# KiCad board capybully.kicad_pcb
title: capybully; date: 2023-09-10; rev: v1.0
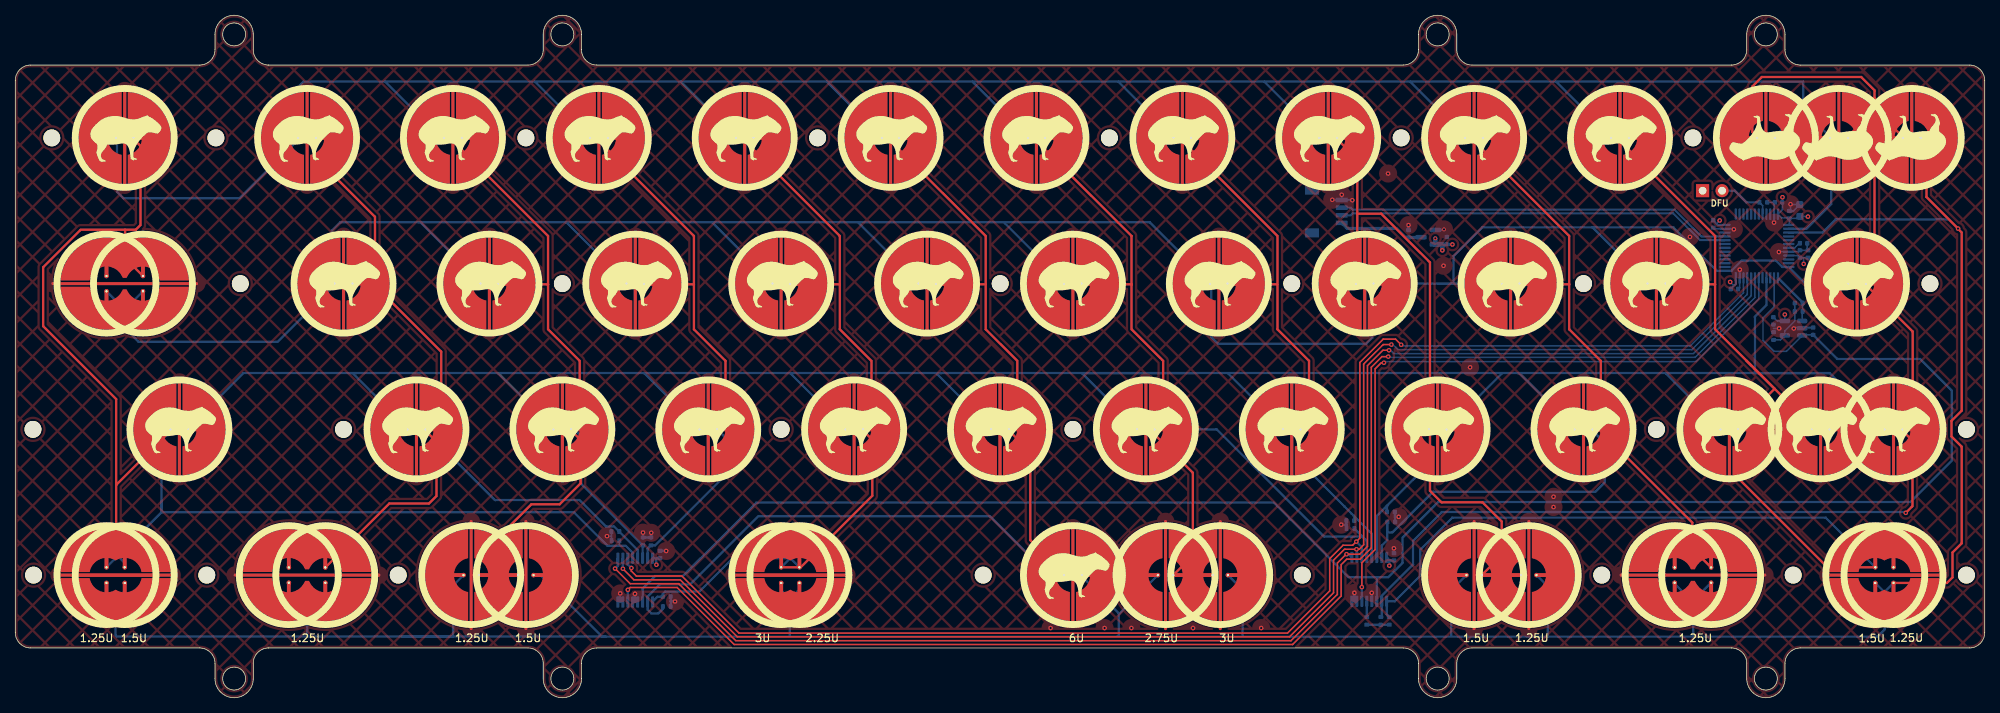
[diagram p0: board, top side]
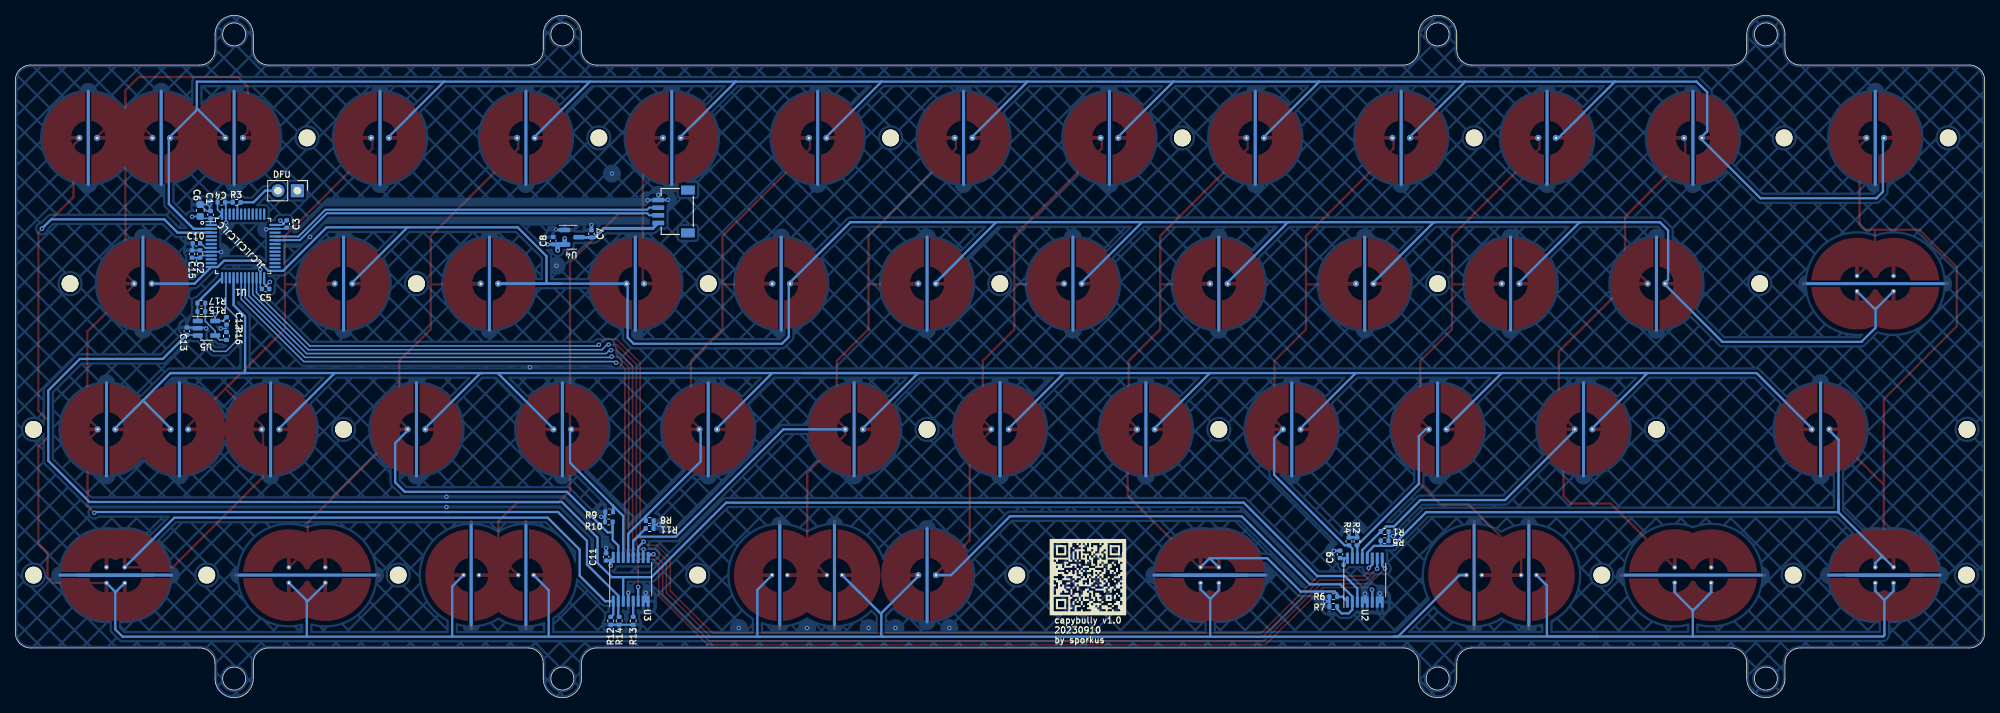
[diagram p1: board, bottom side, seen from below]

Outline 257.18 x 89.2 mm; copper layers: Top, In1.Cu, In2.Cu, Bottom. Coordinates in mm from the lower left corner of the outline.
Outline path: circle c28.57,86.7 r1.5 ; circle c28.57,2.5 r1.5 ; circle c71.44,86.7 r1.5 ; circle c71.44,2.5 r1.5 ; circle c185.74,86.7 r1.5 ; circle c185.74,2.5 r1.5 ; circle c228.6,86.7 r1.5 ; circle c228.6,2.5 r1.5 ; 0,80.7 arc(0.59,82.11) 2,82.7 24.07,82.7 arc(25.49,83.29) 26.07,84.7 26.07,86.7 arc(28.57,89.2) 31.07,86.7 31.07,84.7 arc(31.66,83.29) 33.08,82.7 66.94,82.7 arc(68.35,83.29) 68.94,84.7 68.94,86.7 arc(71.44,89.2) 73.94,86.7 73.94,84.7 arc(74.52,83.29) 75.94,82.7 181.24,82.7 arc(182.65,83.29) 183.24,84.7 183.24,86.7 arc(185.74,89.2) 188.24,86.7 188.24,84.7 arc(188.82,83.29) 190.24,82.7 224.1,82.7 arc(225.51,83.29) 226.1,84.7 226.1,86.7 arc(228.6,89.2) 231.1,86.7 231.1,84.7 arc(231.69,83.29) 233.1,82.7 255.17,82.7 arc(256.59,82.11) 257.18,80.7 257.18,8.5 arc(256.59,7.09) 255.17,6.5 233.1,6.5 arc(231.69,5.91) 231.1,4.5 231.1,2.5 arc(228.6,0) 226.1,2.5 226.1,4.5 arc(225.51,5.91) 224.1,6.5 190.24,6.5 arc(188.82,5.91) 188.24,4.5 188.24,2.5 arc(185.74,0) 183.24,2.5 183.24,4.5 arc(182.65,5.91) 181.24,6.5 75.94,6.5 arc(74.52,5.91) 73.94,4.5 73.94,2.5 arc(71.44,0) 68.94,2.5 68.94,4.5 arc(68.35,5.91) 66.94,6.5 33.08,6.5 arc(31.66,5.91) 31.07,4.5 31.07,2.5 arc(28.57,0) 26.07,2.5 26.08,4.5 arc(25.49,5.91) 24.08,6.5 2,6.5 arc(0.59,7.09) 0,8.5 0,80.7
Stack: Top 0.035mm / dielectric 0.1mm FR4 er 4.5 / In1.Cu 0.035mm / dielectric 1.24mm FR4 er 4.5 / In2.Cu 0.035mm / dielectric 0.1mm FR4 er 4.5 / Bottom 0.035mm

## Placement (name value [footprint] x y rotation side)
C1  100nF  [C_0402_1005Metric]  231.68 63.14 90 bottom
C2  100nF  [C_0402_1005Metric]  233.05 58.01 90 bottom
C3  100nF  [C_0402_1005Metric]  221.74 61.92 270 bottom
C4  100nF  [C_0402_1005Metric]  230.27 64.75 180 bottom
C5  100n  [C_0402_1005Metric]  224.49 53.43 0 bottom
C6  10uF  [C_0603_1608Metric]  233.04 63.69 90 bottom
C7  1uF  [C_0402_1005Metric]  181.94 60.64 270 bottom
C8  1uF  [C_0402_1005Metric]  186.94 59.74 270 bottom
C9  100n  [C_0402_1005Metric]  84.19 18.73 270 bottom
C10  100nF  [C_0402_1005Metric]  233.52 59.4 0 bottom
C11  100n  [C_0402_1005Metric]  180.03 18.41 270 bottom
C12  100n  [C_0402_1005Metric]  229.58 49.26 90 bottom
C13  220pF NP0  [C_0402_1005Metric]  234.77 47.91 90 bottom
C15  1u  [C_0402_1005Metric]  234.1 58 90 bottom
G***  -  [LOGO]  117.1 15.76 180 bottom
H1  MountingHole  [MountingHole_2.2mm_M2_DIN965]  128.61 54.13 90 top
H2  MountingHole  [MountingHole_2.2mm_M2_DIN965]  166.69 54.13 90 top
H3  MountingHole  [MountingHole_2.2mm_M2_DIN965]  42.86 35.08 0 top
H4  MountingHole  [MountingHole_2.2mm_M2_DIN965]  66.67 73.18 0 top
H5  MountingHole  [MountingHole_2.2mm_M2_DIN965]  104.78 73.18 0 top
H6  MountingHole  [MountingHole_2.2mm_M2_DIN965]  142.88 73.18 0 top
H7  MountingHole  [MountingHole_2.2mm_M2_DIN965]  180.97 73.18 0 top
H8  MountingHole  [MountingHole_2.2mm_M2_DIN965]  232.17 16.03 0 top
H9  MountingHole  [MountingHole_2.2mm_M2_DIN965]  100.01 35.08 0 top
H10  MountingHole  [MountingHole_2.2mm_M2_DIN965]  138.11 35.08 0 top
H11  MountingHole  [MountingHole_2.2mm_M2_DIN965]  254.79 35.08 0 top
H12  MountingHole  [MountingHole_2.2mm_M2_DIN965]  29.38 54.13 0 top
H13  MountingHole  [MountingHole_2.2mm_M2_DIN965]  2.31 35.08 90 top
H14  MountingHole  [MountingHole_2.2mm_M2_DIN965]  25 16.03 0 top
H15  MountingHole  [MountingHole_2.2mm_M2_DIN965]  219.07 73.18 0 top
H16  MountingHole  [MountingHole_2.2mm_M2_DIN965]  26.19 73.18 0 top
H17  MountingHole  [MountingHole_2.2mm_M2_DIN965]  71.44 54.13 90 top
H18  MountingHole  [MountingHole_2.2mm_M2_DIN965]  214.31 35.08 90 top
H19  MountingHole  [MountingHole_2.2mm_M2_DIN965]  126.39 16.03 0 top
H20  MountingHole  [MountingHole_2.2mm_M2_DIN965]  168.07 16.03 0 top
H21  MountingHole  [MountingHole_2.2mm_M2_DIN965]  204.79 54.13 0 top
H22  MountingHole  [MountingHole_2.2mm_M2_DIN965]  250.03 54.13 0 top
H23  MountingHole  [MountingHole_2.2mm_M2_DIN965]  50.01 16.03 0 top
H24  MountingHole  [MountingHole_2.2mm_M2_DIN965]  207.17 16.03 0 top
H25  MountingHole  [MountingHole_2.2mm_M2_DIN965]  2.38 16.03 0 top
H26  MountingHole  [MountingHole_2.2mm_M2_DIN965]  4.76 73.18 0 top
H27  MountingHole  [MountingHole_2.2mm_M2_DIN965]  254.79 16.03 0 top
J1  SM04B-SRSS-TB(LF)(SN)  [JST-SR-4]  168.44 63.56 90 bottom
R1  100k  [R_0402_1005Metric]  78.36 21.72 180 bottom
R2  100k  [R_0402_1005Metric]  81.97 20.43 90 bottom
R3  10k  [R_0402_1005Metric]  228.27 64.75 0 bottom
R4  100k  [R_0402_1005Metric]  83.02 20.43 90 bottom
R5  100k  [R_0402_1005Metric]  78.37 20.52 180 bottom
R6  100k  [R_0402_1005Metric]  85.07 13.2 0 bottom
R7  100k  [R_0402_1005Metric]  85.07 11.92 0 bottom
R8  100k  [R_0402_1005Metric]  174.33 23.14 180 bottom
R9  100k  [R_0402_1005Metric]  179.63 24.29 0 bottom
R10  100k  [R_0402_1005Metric]  179.68 22.97 0 bottom
R11  100k  [R_0402_1005Metric]  174.35 22.11 180 bottom
R12  100k  [R_0402_1005Metric]  179.42 10.05 270 bottom
R13  100k  [R_0402_1005Metric]  176.49 10.05 270 bottom
R14  100k  [R_0402_1005Metric]  178.32 10.05 270 bottom
R15  100k  [R_0402_1005Metric]  232.89 50.48 180 bottom
R16  1k  [R_0402_1005Metric]  229.6 47.28 90 bottom
R17  DNP  [R_0402_1005Metric]  232.89 51.58 180 bottom
SW1  EC_SW  [capy_pad_1U]  14.29 73.18 0 top
SW2  EC_SW  [capy_pad_1U]  38.1 73.18 0 top
SW3  EC_SW  [capy_pad_1U]  57.15 73.18 0 top
SW4  EC_SW  [capy_pad_1U]  76.2 73.18 0 top
SW5  EC_SW  [capy_pad_1U]  95.25 73.18 0 top
SW6  EC_SW  [capy_pad_1U]  114.3 73.18 0 top
SW7  EC_SW  [capy_pad_1U]  133.35 73.18 0 top
SW8  EC_SW  [capy_pad_1U]  152.4 73.18 0 top
SW9  EC_SW  [capy_pad_1U]  171.45 73.18 0 top
SW10  EC_SW  [capy_pad_1U]  190.5 73.18 0 top
SW11  EC_SW  [capy_pad_1U]  209.55 73.18 0 top
SW12  EC_SW  [capy_pad_1U]  228.6 73.18 180 top
SW13  EC_SW  [capy_pad_1U]  238.12 73.18 180 top
SW14  EC_SW  [capy_pad_1U]  247.65 73.18 180 top
SW15  EC_SW  [ecs_pad_combo_0.25u_offset]  16.67 54.13 0 top
SW16  EC_SW  [capy_pad_1U]  42.86 54.13 0 top
SW17  EC_SW  [capy_pad_1U]  61.91 54.13 0 top
SW18  EC_SW  [capy_pad_1U]  80.96 54.13 0 top
SW19  EC_SW  [capy_pad_1U]  100.01 54.13 0 top
SW20  EC_SW  [capy_pad_1U]  119.06 54.13 0 top
SW21  EC_SW  [capy_pad_1U]  138.11 54.13 0 top
SW22  EC_SW  [capy_pad_1U]  157.16 54.13 0 top
SW23  EC_SW  [capy_pad_1U]  176.21 54.13 0 top
SW24  EC_SW  [capy_pad_1U]  195.26 54.13 0 top
SW25  EC_SW  [capy_pad_1U]  214.31 54.13 0 top
SW26  EC_SW  [capy_pad_1U]  240.51 54.13 0 top
SW27  EC_SW  [capy_pad_1U]  21.43 35.08 0 top
SW28  EC_SW  [capy_pad_1U]  52.39 35.08 0 top
SW29  EC_SW  [capy_pad_1U]  71.44 35.08 0 top
SW30  EC_SW  [capy_pad_1U]  90.49 35.08 0 top
SW31  EC_SW  [capy_pad_1U]  109.54 35.08 0 top
SW32  EC_SW  [capy_pad_1U]  128.59 35.08 0 top
SW33  EC_SW  [capy_pad_1U]  147.64 35.08 0 top
SW34  EC_SW  [capy_pad_1U]  166.69 35.08 0 top
SW35  EC_SW  [capy_pad_1U]  185.74 35.08 0 top
SW36  EC_SW  [capy_pad_1U]  204.79 35.08 0 top
SW37  EC_SW  [capy_pad_1U]  223.84 35.08 0 top
SW38  EC_SW  [capy_pad_1U]  245.27 35.08 0 top
SW39  EC_SW  [ecs_pad_combo_0.125u_offset]  14.29 16.03 180 top
SW40  EC_SW  [ecs_pad_combo_0.25u_offset]  40.48 16.03 0 top
SW41  EC_SW  [ecs_pad_combo_0.375u_offset]  66.67 16.03 0 top
SW42  EC_SW  [ecs_pad_combo_0.125u_offset]  102.39 16.03 180 top
SW43  EC_SW  [capy_pad_1U]  138.11 16.03 0 top
SW44  EC_SW  [ecs_pad_combo_0.375u_offset]  150.21 16.03 180 top
SW45  EC_SW  [ecs_pad_combo_0.375u_offset]  190.5 16.03 180 top
SW46  EC_SW  [ecs_pad_combo_0.25u_offset]  216.69 16.03 180 top
SW47  EC_SW  [ecs_pad_combo_0.125u_offset]  242.89 16.03 0 top
SW48  EC_SW  [capy_pad_1U]  235.74 35.08 0 top
SW100  DFU  [PinHeader_1x02_P2.54mm_Vertical]  220.34 66.28 270 bottom
U1  STM32F072CBT6  [LQFP-48_7x7mm_P0.5mm]  227.42 59.05 180 bottom
U2  74HC4051  [TSSOP-16_4.4x5mm_P0.65mm]  80.95 15.37 90 bottom
U3  74HC4051  [TSSOP-16_4.4x5mm_P0.65mm]  176.81 15.47 90 bottom
U4  XC6206PxxxMR-Regulator_Linear  [SOT-23]  184.5 60.19 180 bottom
U5  OPA354  [SOT-23-5]  232.21 48.29 180 bottom

## Library data of the parts
C1-C4 C9 C11 C12 = -: Description: Unpolarized capacitor; LCSC: C307331
C5 C6 C15 = -: Description: Unpolarized capacitor
C7 C8 = -: Description: Unpolarized capacitor, small symbol; LCSC: C52923
C10 = -: Description: Unpolarized capacitor, small symbol; LCSC: C307331
C13 = -: Description: Unpolarized capacitor; LCSC: C1530
H1-H27 = -: Description: Mounting Hole without connection
J1 = -: Description: Generic connector, single row, 01x04, script generated (kicad-library-utils/schlib/autogen/connector/); JlcPosOffset: 0, -2.6
R1 R2 R4-R15 = -: Description: Resistor; LCSC: C25741
R3 = -: Description: Resistor, small symbol
R16 = -: Description: Resistor; LCSC: C11702
R17 = -: Description: Resistor
SW100 = -: Description: Push button switch, generic, two pins
U1 = -: Description: STMicroelectronics Arm Cortex-M0 MCU, 128KB flash, 16KB RAM, 48 MHz, 2.0-3.6V, 37 GPIO, LQFP48; JlcRotOffset: 90
U2 U3 = -: Description: 8-channel analog multiplexer/demultiplexer, DIP-16/SOIC-16/TSSOP-16; JlcRotOffset: 270; LCSC: C5645
U4 = -: Description: SMD LDO regulator family; LCSC: C5446
U5 = -: Description: Single Single-Supply, Rail-to-Rail Operational Amplifier, MicroAmplifier Series, SOT-23-5

## Footprints (pads in the part's own frame, mm; a bottom-side part is the same pattern mirrored in y, then rotated)
C_0402_1005Metric
  rrect 0.56x0.62 smd: 1(-0.48,0) 2(0.48,0)
C_0603_1608Metric
  rrect 0.9x0.95 smd: 1(-0.775,0) 2(0.775,0)
capy_pad_1U
  round 0.8 hole 0.3: 1(-1.15,0) 2(1.15,0)
  custom 5.595x11.973 smd: 1(-1,0) 2(1,0)
  rrect 0.4x12.5 smd far side: 3(0,0)
  rrect 0.4x12.75 smd: 3(0,0)
ecs_pad_combo_0.25u_offset
  round 0.6 hole 0.3: 1(-4.763,1) 1(0,1.002) 2(-4.763,-1) 2(0,-1.002)
  custom 16.734x5.595 smd: 1(0,1.002) 2(0,-1.002)
  custom 19.163x0.4 smd: 3(0,0)
  custom 18.163x0.4 smd far side: 3(0,0)
ecs_pad_combo_0.125u_offset
  custom 14.405x5.65 smd: 1(0,1.025) 2(2.381,-1.025)
  round 0.6 hole 0.3: 1(0,1.025) 1(2.381,1.025) 2(0,-1.025) 2(2.381,-1.025)
  rrect 12.5x0.4 smd far side: 3(0,0) 3(2.381,0)
  rrect 12.75x0.4 smd: 3(0,0) 3(2.381,0)
ecs_pad_combo_0.375u_offset
  round 0.6 hole 0.3: 1(-8.145,0) 1(1.002,0) 2(-6.141,0) 2(-1.002,0)
  custom 5.595x11.973 smd: 1(-8.144,0) 1(1.001,0)
  custom 6.334x11.972 smd: 2(-6.153,0)
  custom 0.4x14.4 smd: 3(-7.143,0) 3(0,0)
  custom 0.4x13.4 smd far side: 3(-7.143,0) 3(0,0)
JST-SR-4
  rect 1.2x1.8 smd: (-2.8,0.9) (2.8,0.9)
  rect 0.6x1.55 smd: 1(-1.5,4.775) 2(-0.5,4.775) 3(0.5,4.775) 4(1.5,4.775)
LQFP-48_7x7mm_P0.5mm
  rrect 1.475x0.3 smd: 1(-4.162,2.75) 2(-4.162,2.25) 3(-4.162,1.75) 4(-4.162,1.25) 5(-4.162,0.75) 6(-4.162,0.25) 7(-4.162,-0.25) 8(-4.162,-0.75) 9(-4.162,-1.25) 10(-4.162,-1.75) 11(-4.162,-2.25) 12(-4.162,-2.75) 25(4.162,-2.75) 26(4.162,-2.25) 27(4.162,-1.75) 28(4.162,-1.25) 29(4.162,-0.75) 30(4.162,-0.25) 31(4.162,0.25) 32(4.162,0.75) 33(4.162,1.25) 34(4.162,1.75) 35(4.162,2.25) 36(4.162,2.75)
  rrect 0.3x1.475 smd: 13(-2.75,-4.162) 14(-2.25,-4.162) 15(-1.75,-4.162) 16(-1.25,-4.162) 17(-0.75,-4.162) 18(-0.25,-4.162) 19(0.25,-4.162) 20(0.75,-4.162) 21(1.25,-4.162) 22(1.75,-4.162) 23(2.25,-4.162) 24(2.75,-4.162) 37(2.75,4.162) 38(2.25,4.162) 39(1.75,4.162) 40(1.25,4.162) 41(0.75,4.162) 42(0.25,4.162) 43(-0.25,4.162) 44(-0.75,4.162) 45(-1.25,4.162) 46(-1.75,4.162) 47(-2.25,4.162) 48(-2.75,4.162)
MountingHole_2.2mm_M2_DIN965
  round 2.2 hole 2.2 unplated: (0,0)
PinHeader_1x02_P2.54mm_Vertical
  rect 1.7x1.7 hole 1: 1(0,0)
  oval 1.7x1.7 hole 1: 2(0,-2.54)
R_0402_1005Metric
  rrect 0.54x0.64 smd: 1(-0.51,0) 2(0.51,0)
SOT-23
  rrect 1.475x0.6 smd: 1(-0.938,0.95) 2(-0.938,-0.95) 3(0.938,0)
SOT-23-5
  rrect 1.325x0.6 smd: 1(-1.137,0.95) 2(-1.137,0) 3(-1.137,-0.95) 4(1.137,-0.95) 5(1.137,0.95)
TSSOP-16_4.4x5mm_P0.65mm
  rrect 1.475x0.4 smd: 1(-2.862,2.275) 2(-2.862,1.625) 3(-2.862,0.975) 4(-2.862,0.325) 5(-2.862,-0.325) 6(-2.862,-0.975) 7(-2.862,-1.625) 8(-2.862,-2.275) 9(2.862,-2.275) 10(2.862,-1.625) 11(2.862,-0.975) 12(2.862,-0.325) 13(2.862,0.325) 14(2.862,0.975) 15(2.862,1.625) 16(2.862,2.275)

## Nets
+3V3: C1.1 C2.1 C3.1 C4.1 C5.1 C6.1 C8.2 C9.2 C11.2 C12.2 C15.1 SW100.1 U1.1 U1.9 U1.24 U1.36 U1.48 U2.16 U3.16 U4.2 U5.5
+5V: C7.2 J1.1 U4.3
GND: C1.2 C2.2 C3.2 C4.2 C5.2 C6.2 C7.1 C8.1 C9.1 C10.2 C11.1 C12.1 C13.2 C15.2 J1.4 R1.2 R2.2 R3.2 R4.2 R5.2 R6.2 R7.2 R8.2 R9.2 R10.2 R11.2 R12.2 R13.2 R14.2 R16.2 SW1.3 SW2.3 SW3.3 SW4.3 SW5.3 SW6.3 SW7.3 SW8.3 SW9.3 SW10.3 SW11.3 SW12.3 SW13.3 SW14.3 SW15.3 SW16.3 SW17.3 SW18.3 SW19.3 SW20.3 SW21.3 SW22.3 SW23.3 SW24.3 SW25.3 SW26.3 SW27.3 SW28.3 SW29.3 SW30.3 SW31.3 SW32.3 SW33.3 SW34.3 SW35.3 SW36.3 SW37.3 SW38.3 SW39.3 SW40.3 SW41.3 SW42.3 SW43.3 SW44.3 SW45.3 SW46.3 SW47.3 SW48.3 U1.8 U1.23 U1.35 U1.47 U2.4 U2.5 U2.7 U2.8 U3.4 U3.7 U3.8 U4.1 U5.2
/A0: U1.10
/A1: U1.11
/A5: U1.15
/A7: U1.17
/A8: U1.29
/A9: U1.30
/A10: U1.31
/A13: U1.34
/A14: U1.37
/A15: U1.38
/B3: U1.39
/B4: U1.40
/B5: U1.41
/B6: U1.42
/B7: U1.43
/B8: U1.45
/B9: U1.46
/B12: U1.25
/B13: U1.26
/B14: U1.27
/B15: U1.28
/C15: U1.4
/F0: U1.5
/F1: U1.6
ADC: R15.1 R17.1 U1.13 U5.1
APLEX0_EN: U1.19 U2.6
APLEX1_EN: U1.18 U3.6
APLEX_OUT: C13.1 U1.14 U2.3 U3.3 U5.3
APLEX_SEL0: U1.22 U2.11 U3.11
APLEX_SEL1: U1.21 U2.10 U3.10
APLEX_SEL2: U1.20 U2.9 U3.9
BOOT0: R3.1 SW100.2 U1.44
COL0: R5.1 SW1.2 SW15.1 SW27.1 SW39.2 U2.12
COL1: R1.1 SW2.2 SW16.2 SW28.2 SW40.1 U2.13
COL2: R2.1 SW3.2 SW17.2 SW29.2 SW41.2 U2.14
COL3: R4.1 SW4.2 SW18.2 SW30.2 U2.15
COL4: R6.1 SW5.2 SW19.2 SW31.2 SW42.2 U2.1
COL5: R7.1 SW6.2 SW20.2 SW32.2 SW43.1 U2.2
COL6: R11.1 SW7.2 SW21.2 SW33.2 SW44.2 U3.12
COL7: R8.1 SW8.2 SW22.2 SW34.2 U3.13
COL8: R9.1 SW9.2 SW23.1 SW35.1 SW45.2 U3.14
COL9: R10.1 SW10.2 SW24.2 SW36.2 SW46.2 U3.15
COL10: R12.1 SW11.2 SW25.2 SW37.2 SW47.1 SW48.1 U3.1
COL11: R14.1 SW12.2 SW13.1 SW14.2 SW26.2 SW38.2 U3.2
COL12: R13.1 U3.5
D_N: J1.2 U1.32
D_P: J1.3 U1.33
NRST: C10.1 U1.7
ROW0: SW1.1 SW2.1 SW3.1 SW4.1 SW5.1 SW6.1 SW7.1 SW8.1 SW9.1 SW10.1 SW11.1 SW12.1 SW13.2 U1.2
ROW1: SW15.2 SW16.1 SW17.1 SW18.1 SW19.1 SW20.1 SW21.1 SW22.1 SW23.2 SW24.1 SW25.1 SW26.1 U1.12
ROW2: SW27.2 SW28.1 SW29.1 SW30.1 SW31.1 SW32.1 SW33.1 SW34.1 SW35.2 SW36.1 SW37.1 SW38.1 SW48.2 U1.16
ROW3: SW14.1 SW39.1 SW40.2 SW41.1 SW42.1 SW43.2 SW44.1 SW45.1 SW46.1 SW47.2 U1.3
Net-(U5--): R15.2 R16.1 R17.2 U5.4

## Via types
v1: diameter 0.6, hole 0.3, Top to Bottom, 59 vias
v2: diameter 0.5, hole 0.3, Top to Bottom, 2 vias

## Routing (per net, layer and track width the routed paths; a pad name or vN(x,y) marks a point on that pad's centre or on a via; arc(x,y) is an arc through that point)
+3V3: length 27
  Bottom w0.2: v1(231.08,50.09) 231.07,50.08 231.07,49.24 230.08,49.24 C12.2 ; 222.16,61.98 222.34,61.8 U1.36 ; 222.16,61.98 v1(222.57,62.38) ; 222.16,61.98 C3.1 ; 224.67,54.56 224.67,54.09 ; 224.67,54.09 C5.1 ; 224.67,54.09 U1.24 ; 224.67,54.09 224.53,53.95 224.33,53.95 v1(223.94,54.34) ; 231.63,62.7 230.68,62.7 U1.48 230.77,63.8 v1(230.77,65.42) ; v1(234.09,62.88) 234.06,62.91 C6.1 ; 233.52,57.53 234.09,57.53 ; 233.52,57.53 C2.1 232.78,57.8 U1.9 ; 233.52,57.53 233.52,56.73 v1(233.54,56.7) ; 232.78,62.66 C1.1 231.68,61.89 U1.1
  Bottom w0.3: C11.2 179.49,17.93 ; 179.49,17.93 U3.16 ; 179.49,17.93 179.43,17.87 v1(179.43,17.26) ; U2.16 83.69,18.24 ; 83.69,18.24 83.69,17.4 v1(83.72,17.38) ; 83.69,18.24 84.18,18.24
  Bottom w0.4: v1(187.67,59.24) U4.2
  Bottom w0.6: v1(186.35,58.48) 186.37,58.5 186.37,59.24 U4.2 v2(185.44,60.04)
+5V: length 11.1
  Bottom w0.4: U4.3 183.53,60.16 C7.2 181.52,60.16 180.34,61.34 173.93,61.34 J1.1
GND: length 47.7
  Bottom w0.2: 77.85,21.12 v1(77.27,21.12) ; 77.85,21.12 R1.2 ; 77.85,21.12 77.85,20.53 R5.2 ; v1(224.42,61.23) 224.35,61.3 U1.35 221.88,61.3 ; v1(232.25,48.26) 232.37,48.39 C13.2 233.44,48.39 ; v1(229.67,62.1) 229.67,62.11 U1.47 229.67,64.52 ; C1.2 232.19,63.62 C6.2 231.86,64.46 v1(231.82,64.5) 231.82,63.76 ; C2.2 232.86,58.3 U1.8 230.34,58.3 v1(230.29,58.25) ; C10.2 234,58.58 ; C5.2 225.17,53.63 U1.23 225.17,55.94 v1(225.19,55.96) ; J1.4 174.57,65.06 v1(174.59,65.03) ; J1.4 173.22,65.74 v1(173.22,65.74) ; J1.4 172,65.06 v1(171.98,65.08) ; 229.6,48.26 230.33,48.26 v1(230.34,48.27) ; C4.2 229.79,64.75 R3.2 ; C15.2 233.06,58.48
  Bottom w0.3: 80.92,12.51 v1(80.92,13.58) ; 80.92,12.51 U2.5 ; 80.92,12.51 U2.4 ; U4.1 186.49,61.14 v2(186.57,61.22) ; R11.2 173.84,22.61 ; 173.84,22.61 173.84,23.12 R8.2 ; 173.84,22.61 v1(173.15,22.61) ; 78.97,12.51 U2.7 ; 78.97,12.51 78.97,13.6 v1(78.99,13.63) ; 78.97,12.51 U2.8 ; U3.7 174.87,12.61 ; 174.87,12.61 v1(174.87,13.7) ; 174.87,12.61 U3.8 ; v1(180.66,23.64) 180.14,23.64 R9.2 180.19,24.24 R10.2 ; v1(84.99,19.18) 84.96,19.21 C9.1 ; v1(83.04,21.55) 83.02,21.53 R4.2 R2.2 v1(81.97,21.58) ; R6.2 85.58,12.6 ; 85.58,12.6 R7.2 ; 85.58,12.6 86.12,12.6 ; R12.2 R13.2 ; v1(180.03,19.53) C11.1 ; v1(177.14,13.7) U3.4
  Bottom w0.4: v1(181.94,61.77) C7.1
  vias: v1(86.15,12.57) v1(135.19,9.1) v1(142.24,9.1) v1(145.74,9.1) v1(153.79,9.1) v1(162.69,9.1) v1(179.27,68.52) v1(186.51,56.46) v1(189.97,43.19) v1(200.87,26.27) v1(200.87,24.92) v1(218.68,60.23)
ADC: length 6.8
  Bottom w0.2: 233.35,49.24 233.35,50.43 ; R15.1 R17.1
  Bottom w0.3: 233.4,51.66 U1.13
APLEX0_EN: length 189.7
  Top w0.2: v1(179.29,44.58) 178.47,44.58 177.07,43.19 177.07,19.57 175.61,18.11 173.85,18.11 173.14,17.4 173.14,13.3 166.8,6.95 93.87,6.95 86.42,14.4 80.29,14.4 v1(79.99,14.1)
  Bottom w0.2: U1.19 227.17,52.31 219.35,44.49 179.39,44.49 v1(179.29,44.58)
  Bottom w0.3: U2.6 79.97,14.09 v1(79.99,14.1)
APLEX1_EN: length 87.8
  Top w0.2: v1(175.84,14.46) 175.84,17.62 177.57,19.36 177.57,42.99 178.37,43.79 v1(178.72,43.79)
  Bottom w0.2: v1(178.72,43.79) 178.87,43.94 219.5,43.94 227.67,52.11 U1.18
  Bottom w0.3: U3.6 v1(175.84,14.46)
APLEX_OUT: length 239.8
  Bottom w0.2: C13.1 233.43,47.43 ; U1.14 229.67,51.11 228.23,49.66 228.23,46.71 229.67,45.27 231.27,45.27 U5.3
  Bottom w0.3: 177.79,15.75 179.29,15.75 181.16,17.62 181.16,20.93 185.81,25.58 247.48,25.58 252.87,30.97 252.87,40.15 248.74,44.28 237.92,44.28 C13.1 ; 177.79,15.75 177.79,12.62 ; 177.79,15.75 174.09,15.75 164.34,25.5 96.77,25.5 87.17,15.9 83.54,15.9 81.92,14.29 U2.3
APLEX_SEL0: length 189.9
  Top w0.2: v1(180.97,46.13) 180.24,46.87 178.63,46.87 175.57,43.81 175.57,20.86 v1(175.12,20.4) 174.64,19.93 173.39,19.93 171.64,18.18 171.64,13.95 166.14,8.45 94.49,8.45 87.04,15.9 81.09,15.9 80.44,16.55 v1(80.44,16.95)
  Bottom w0.2: U1.22 225.67,52.94 218.72,45.99 181.12,45.99 v1(180.97,46.13)
  Bottom w0.3: v1(175.12,20.4) 175.84,19.68 U3.11 ; U2.11 79.97,17.42 v1(80.44,16.95)
APLEX_SEL1: length 190.6
  Top w0.2: v1(79.34,16.85) 80.79,15.4 86.84,15.4 94.29,7.95 166.38,7.95 172.14,13.72 172.14,17.98 173.57,19.41 175.14,19.41 v1(175.14,19.4) 175.5,19.4 176.07,19.98 176.07,43.61 178.63,46.16 v1(179.69,46.16)
  Bottom w0.2: U1.21 226.17,52.73 218.93,45.49 180.55,45.49 179.88,46.16 v1(179.69,46.16)
  Bottom w0.3: v1(175.14,19.4) 175.19,19.36 U3.10 ; v1(79.34,16.85) 79.32,16.87 U2.10
APLEX_SEL2: length 192.3
  Top w0.2: v1(179.39,45.42) 178.59,45.42 176.57,43.4 176.57,19.78 175.55,18.75 173.85,18.75 v1(173.84,18.76) 173.79,18.76 172.64,17.61 172.64,13.5 166.59,7.45 94.08,7.45 86.63,14.9 80.29,14.9 v1(78.32,16.88)
  Bottom w0.2: v1(179.39,45.42) 179.59,45.42 180.02,44.99 219.14,44.99 226.67,52.52 U1.20
  Bottom w0.3: U3.9 174.11,18.76 v1(173.84,18.76) ; U2.9 78.67,17.24 v1(78.32,16.88)
BOOT0: length 7.2
  Bottom w0.2: R3.1 228.17,64.33 U1.44
  Bottom w0.3: SW100.2 224.54,66.28 226.06,64.75 R3.1
COL0: length 174.2
  Top w0.3: 13.17,27.81 SW27.1 ; 13.17,27.81 13.17,39.03 3.64,48.56 3.64,56.27 8.49,61.12 ; 13.17,27.81 13.17,20 ; SW1.2 16.34,72.13 16.34,61.78 15.74,61.18 14.34,61.18 ; 14.34,61.18 14.34,57.46 SW15.1 ; 14.34,61.18 8.54,61.18
  Bottom w0.2: 78.97,19.92 78.88,20.01 R5.1
  Bottom w0.3: SW27.1 19.09,33.73 19.09,25.68 ; 19.09,25.68 19.09,24.23 13.37,18.51 ; 19.09,25.68 19.09,24.24 72.94,24.24 77.34,19.85 79.74,19.85 80.62,18.96 U2.12 ; 13.37,18.51 SW39.2 ; 13.37,18.51 14.29,17.59 SW39.2
COL1: length 110.7
  Top w0.3: 46.72,54.13 55.62,45.23 55.62,37.31 SW28.2 54.99,33.47 54.99,26.35 54.02,25.38 48.84,25.38 40.48,17.03 ; SW16.2 46.97,57.23 46.97,62.85 39.1,70.72 SW2.2
  Bottom w0.2: 78.92,21.87 78.92,21.77 R1.1
  Bottom w0.3: U2.13 81.27,19.3 78.18,22.39 77.13,22.39 73.69,25.83 62.63,25.83 SW28.2
COL2: length 100
  Top w0.3: SW41.2 60.53,18.42 67.39,25.28 71.08,25.28 73.82,28.02 73.82,33.69 SW29.2 73.69,36.33 73.69,44.03 69.57,48.15 69.57,54.03 ; 69.57,54.03 63.01,54.03 ; 69.57,54.03 69.57,60.35 58.15,71.77 SW3.2
  Bottom w0.3: U2.14 81.92,19.92 73.89,27.95 73.89,34.18 73,35.08 SW29.2
COL3: length 73.7
  Top w0.3: SW30.2 92.74,36.33 92.74,44.03 88.62,48.15 88.62,54.03 ; SW4.2 77.2,71.77 88.62,60.35 88.62,54.03 ; 88.62,54.03 82.06,54.03
  Bottom w0.3: U2.15 82.57,19.48 R4.1 83.57,19.92 92.79,29.14 92.79,33.93 91.65,35.08 SW30.2
COL4: length 100.6
  Top w0.3: SW5.2 96.25,71.77 107.67,60.35 107.67,54.03 ; 107.67,54.03 107.67,48.15 111.79,44.03 111.79,36.33 SW31.2 111.92,33.69 111.92,26.4 102.56,17.05 SW42.2 ; 107.67,54.03 101.11,54.03
  Bottom w0.3: 101.19,18.23 93.68,18.23 89.33,13.88 84.87,13.88 84.56,13.57 R6.1 83.85,13.2 83.22,12.57 U2.1 ; 101.19,18.23 SW42.2 ; 101.19,18.23 101.21,18.23 SW42.2
COL5: length 140.3
  Top w0.3: 126.72,54.03 120.16,54.03 ; 126.72,54.03 126.72,48.15 130.84,44.03 130.84,36.33 SW32.2 132.54,32.12 132.54,20.59 SW43.1 ; 126.72,54.03 126.72,60.35 115.3,71.77 SW6.2
  Bottom w0.3: SW43.1 134.97,16.03 127.28,23.72 97.02,23.72 88.12,14.82 84.16,14.82 82.57,13.23 U2.2 82.57,11.51 83.07,11.02 83.97,11.02 84.56,11.61 R7.1
COL6: length 112.1
  Top w0.3: 145.77,54.03 145.77,48.15 149.89,44.03 149.89,36.33 SW33.2 SW33.2 148.79,34.39 153.77,29.4 153.77,18.59 SW44.2 ; 145.77,54.03 145.77,60.35 134.35,71.77 SW7.2 ; 145.77,54.03 139.21,54.03
  Bottom w0.3: U3.12 176.49,20.48 ; 176.49,20.48 R11.1 ; 176.49,20.48 175.92,21.05 170.91,21.05 156.89,35.08 SW33.2
COL7: length 72.9
  Top w0.3: 164.82,54.03 158.26,54.03 ; 164.82,54.03 164.82,60.35 153.4,71.77 SW8.2 ; 164.82,54.03 164.82,48.15 168.94,44.03 168.94,36.33 SW34.2
  Bottom w0.3: 174.77,23.79 177.14,21.42 U3.13 ; 174.77,23.79 174.84,23.72 R8.1 ; 174.77,23.79 167.69,30.87 SW34.2
COL8: length 101.8
  Top w0.3: 175.24,63.27 178.37,63.27 184.74,56.9 SW35.1 184.74,27.05 186.25,25.54 191.6,25.54 194.1,23.04 194.1,18.63 SW45.2 ; 175.24,63.27 175.24,70.38 SW9.2 ; 175.24,63.27 175.24,54.16 SW23.1
  Bottom w0.3: SW35.1 184.74,30.7 179.18,25.15 ; 179.18,25.15 177.79,23.75 U3.14 ; 179.18,25.15 179.12,25.08 R9.1
COL9: length 120.8
  Top w0.3: 202.92,54.03 202.92,48.15 207.04,44.03 207.04,36.33 SW36.2 ; 202.92,54.03 196.36,54.03 ; 202.92,54.03 202.92,60.35 191.5,71.77 SW10.2 ; 206.8,35.08 218.99,22.89 218.99,19.49 221.45,17.03
  Bottom w0.3: SW36.2 207.57,33.29 207.57,28.15 206.33,26.92 185.14,26.92 179.82,21.6 179.17,21.6 R10.1 179.17,20.61 178.44,19.88 U3.15
COL10: length 171.6
  Top w0.3: SW37.2 224.84,35.48 229.74,40.38 229.74,40.39 226.09,44.03 ; 224.86,35.08 224.84,35.05 224.84,28.84 236.63,17.05 SW47.1 ; 221.97,54.03 221.97,48.15 226.09,44.03 ; 221.97,54.03 221.97,60.35 210.55,71.77 SW11.2 ; 221.97,54.03 215.41,54.03 ; SW48.1 234.74,35.38 226.09,44.03
  Bottom w0.3: R12.1 179.09,10.89 U3.1 180.14,12.61 183.48,15.94 183.48,19.35 187.66,23.53 236.41,23.53 SW47.1
COL11: length 173.7
  Top w0.3: 242.8,78.35 242.8,76.99 242.87,76.92 ; 242.8,78.35 242.8,55.42 SW26.2 247.77,47.86 247.77,36.58 SW38.2 247.74,33.6 247.74,25.04 v1(246.87,24.17) ; 242.8,78.35 242.8,79.39 241.05,81.14 228.07,81.14 226.84,79.9 226.84,73.94 SW12.2 ; 242.87,76.92 SW13.1 ; 242.87,76.92 246.61,73.18
  Bottom w0.3: v1(246.87,24.17) 246.76,24.27 201.14,24.27 201.14,24.27 200.6,24.27 200.59,24.27 186.3,24.27 182.53,20.5 182.53,17.42 178.44,13.33 U3.2 178.44,10.67
COL12: length 2.1
  Bottom w0.3: R13.1 U3.5
D_N: length 51.6
  Bottom w0.264: J1.2 174.38,63.06 174.65,63.33 216.49,63.33 220,59.82 222.14,59.82 222.15,59.8 U1.32
D_P: length 51.6
  Bottom w0.264: J1.3 174.38,64.06 174.65,63.79 216.69,63.79 220.2,60.28 222.14,60.28 222.15,60.3 U1.33
NRST: length 1.6
  Bottom w0.2: U1.7 232.35,58.8 232.95,59.4
ROW0: length 362.1
  Bottom w0.3: SW3.1 55.65,73.18 48.29,80.54 ; SW1.1 13.29,66.14 14.14,65.29 29.27,65.29 37.1,73.11 ; SW9.1 163.09,80.54 144.1,80.54 ; 48.29,80.54 67.84,80.54 SW4.1 ; 48.29,80.54 37.62,80.54 36.24,79.15 36.24,74.03 SW2.1 ; 67.9,80.54 86.89,80.54 SW5.1 ; U1.2 233.89,61.3 237.12,64.54 SW13.2 233.47,76.83 233.47,77.05 ; 233.47,77.05 233.47,80.54 201.25,80.54 ; 233.47,77.05 SW12.1 ; 125.05,80.54 144.04,80.54 SW8.1 ; SW7.1 124.99,80.54 106,80.54 ; SW6.1 105.94,80.54 86.95,80.54 ; SW10.1 182.14,80.54 163.15,80.54 ; 182.2,80.54 201.19,80.54 SW11.1
ROW1: length 356.3
  Bottom w0.3: SW26.1 233.76,54.13 U1.12 230.75,56.3 229.92,57.13 225.45,57.13 224.12,55.8 222.2,55.8 216.51,61.49 205.95,61.49 ; 187.82,54.13 187.82,57.73 191.57,61.49 205.95,61.49 ; 187.82,54.13 SW24.1 SW23.2 177.21,47.06 176.42,46.27 157.07,46.27 156.16,47.17 SW22.1 148.13,62.16 ; 187.82,54.13 185.83,54.13 ; 71.74,62.16 90.98,62.16 ; 90.98,62.16 SW19.1 ; 90.98,62.16 110.03,62.16 ; 205.95,61.49 SW25.1 ; SW15.2 14.46,50.92 14.25,50.92 ; SW15.2 14.12,50.92 14.25,50.92 ; 14.25,50.92 14.25,48.36 16.09,46.52 34.25,46.52 SW16.1 41.34,54.64 41.34,61.08 42.41,62.16 52.69,62.16 ; 52.69,62.16 71.93,62.16 SW18.1 ; 52.69,62.16 52.88,62.16 SW17.1 ; 148.13,62.16 110.03,62.16 ; 148.13,62.16 148.14,62.15 ; 110.03,62.16 SW20.1 ; 129.08,62.16 SW21.1
ROW2: length 376.6
  Bottom w0.2: 240.51,38.84 240.51,38.85
  Bottom w0.3: SW48.2 240.51,38.84 ; 158.33,42.44 SW34.1 ; 158.33,42.44 139.28,42.44 ; 158.33,42.44 194.17,42.44 ; 196.22,42.44 194.17,42.44 ; 196.22,42.44 196.43,42.44 SW36.1 ; 196.22,42.44 215.48,42.44 ; 194.17,42.44 186.81,35.08 ; SW29.1 63.08,42.44 ; 63.08,42.44 82.13,42.44 ; 63.08,42.44 44.54,42.44 ; U1.16 228.67,51.32 227.17,49.82 227.17,42.44 236.92,42.44 ; 44.54,42.44 44.03,42.44 SW28.1 ; 44.54,42.44 29.79,42.44 SW27.2 ; 215.48,42.44 SW37.1 ; 215.48,42.44 236.92,42.44 ; 236.92,42.44 244.27,35.09 ; SW32.1 120.23,42.44 120.89,42.44 ; 120.89,42.44 139.28,42.44 ; 120.89,42.44 101.18,42.44 ; 139.28,42.44 SW33.1 ; 139.28,42.44 154.29,42.44 ; SW31.1 101.18,42.44 ; 101.18,42.44 82.13,42.44 ; 82.13,42.44 SW30.1
ROW3: length 448.3
  Top w0.3: SW14.1 249.57,72.26 249.57,65.45 v1(253.7,61.32) 253.7,61.28 254.17,60.82 254.17,37.52 252.84,36.19 252.84,34.15 254.17,32.82 254.17,20.17 252.98,18.98 252.98,15.73 252.24,15 SW47.2
  Bottom w0.3: 50.51,8 57.17,8 57.17,14.66 58.53,16.03 ; 50.51,8 38.12,8 ; 50.51,8 77.07,8 77.09,7.98 ; SW45.1 187.52,14.05 187.52,8.08 ; 216.69,14.91 218.92,12.68 219.11,12.68 ; 13.09,12.75 11.91,13.94 SW39.1 ; 13.09,12.75 13.09,8.15 13.24,8 38.12,8 ; 13.09,12.75 14.29,13.95 SW39.1 ; SW41.1 68.57,16.03 76.62,7.98 77.09,7.98 ; 143.84,7.98 219.14,7.98 ; 143.84,7.98 101.19,7.98 ; 143.84,7.98 144.04,7.98 144.09,8.03 144.09,11.04 ; 219.14,7.98 219.11,8.02 219.11,12.68 ; 219.14,7.98 243.17,7.98 244.12,8.93 244.12,13.77 ; 40.48,15.03 40.48,13.77 38.09,11.38 ; 101.14,12.9 102.39,14.16 SW42.1 ; 101.14,12.9 101.14,8.03 101.19,7.98 ; 101.14,12.9 100.01,14.04 SW42.1 ; 200.14,7.98 200.12,8 200.12,14.55 SW45.1 ; 219.11,12.68 221.45,15.02 ; 77.09,7.98 101.19,7.98 ; 244.12,13.77 244.12,13.85 SW47.2 ; 244.12,13.77 SW47.2 ; 38.09,11.38 38.12,11.35 38.12,8 ; 38.09,11.38 35.72,13.75 35.72,15.02 ; 144.09,11.04 144.23,11.04 SW44.1 ; 144.09,11.04 SW43.2 ; SW44.1 160.27,14.11 160.27,8.08 ; U1.3 235.99,60.8 237.71,62.53 252.49,62.53 v1(253.7,61.32)
Net-(U5--): length 6.5
  Bottom w0.2: R17.2 R15.2 232.38,49.24 231.07,47.93 U5.4 230.5,46.77 R16.1

## Copper pours and planes (outline as drawn; the poured copper is in the pictures)
+3V3 on In1.Cu: -4.16,90.98 260.84,90.98 260.84,-4.02 -4.16,-4.02
GND on Top, Bottom: -5.83,93.52 263.17,93.52 263.17,-7.48 260.17,-10.48 -5.83,-10.48
GND on Bottom, In2.Cu: 172.44,65.36 172.44,61.76 172.5,61.7 216.39,61.7 219.3,58.8 223.26,58.8 223.26,61.3 223.16,61.4 220.42,61.4 216.46,65.36
GND on In2.Cu: -4.52,91.03 260.48,91.03 260.48,-3.97 -4.52,-3.97

## Text on the board
B.Silkscreen: JLCJLCJLCJLC | capybully v1.0 / 20230910 / by sporkus | DFU
F.Silkscreen: DFU | 1.25U | 1.5U | 3U | 2.25U | 6U | 2.75U
